# Altium PCB KAVI_PCB_R5.PcbDoc (part 2 of 2)
Units mil, origin at the board's own origin, x right, y up, seen from the top; angles counter-clockwise.
Board outline 3000 x 1700 mil, 4 copper layers (Top Layer, Signal Layer 1, Signal Layer 2, Bottom Layer), stack 64.6 mil thick; 113 components, 99 nets, 484 pads, 120 vias.
Unrouted connection lines stored in the file: 1.
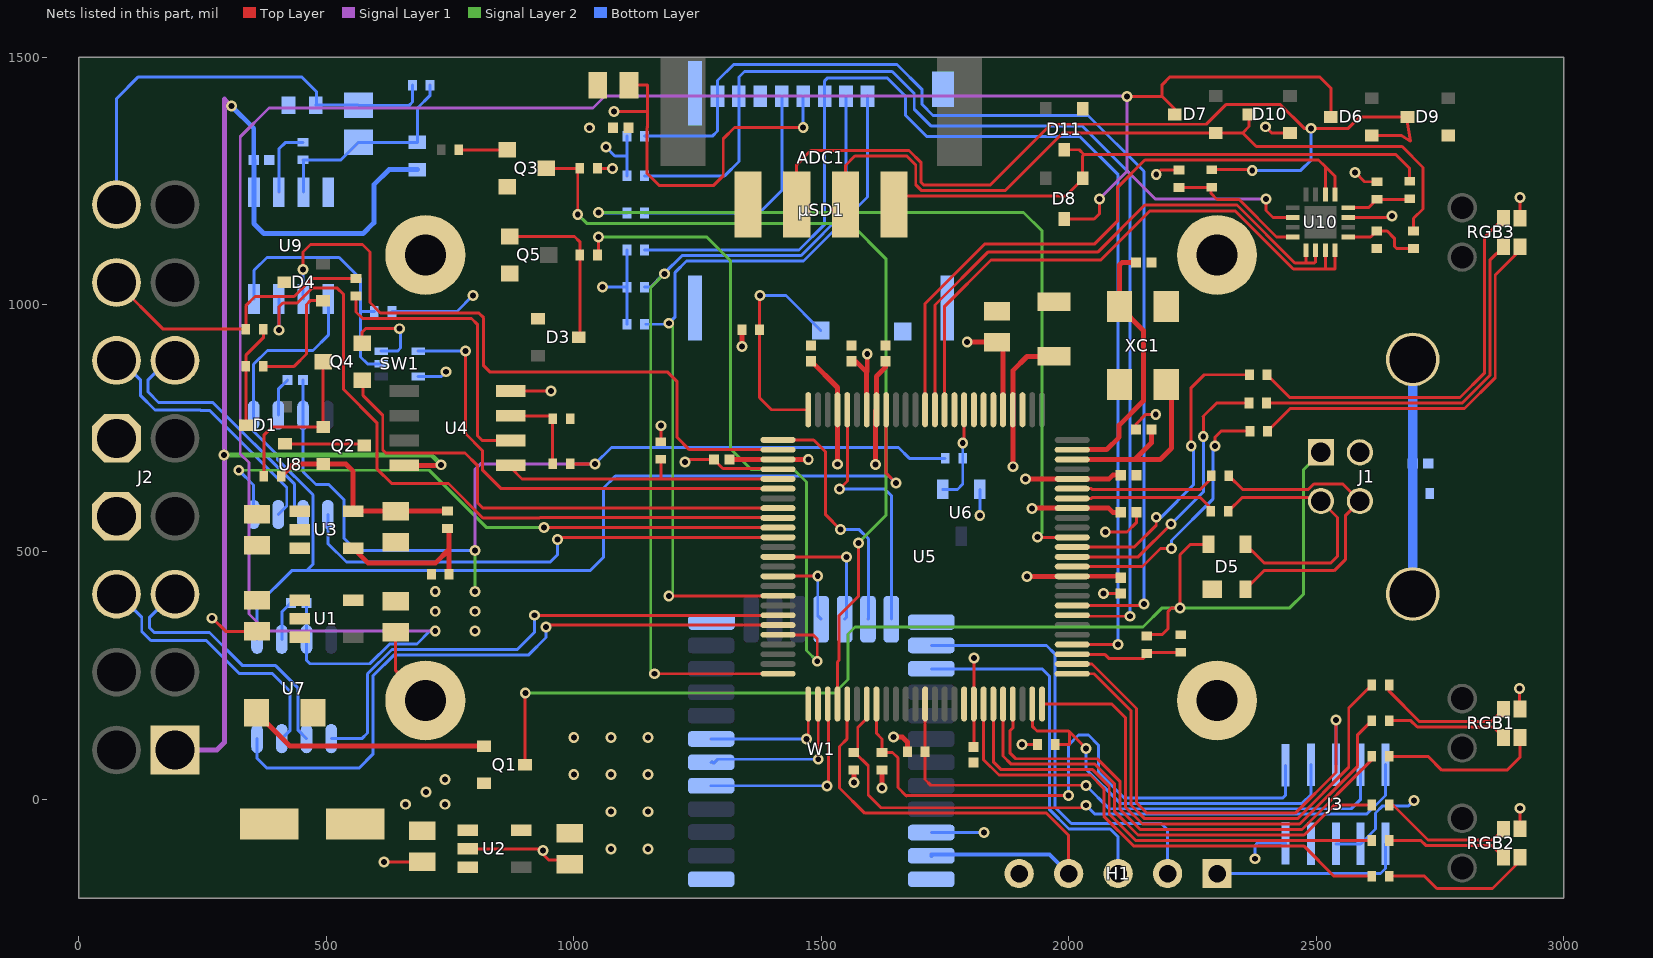
[diagram p4: the nets of this part, all layers, seen from the top]

## Via types
v1: diameter 22, hole 12, Top Layer to Bottom Layer, tented both sides, 120 vias

## Nets (pads, with @x,y where several pads share a name; then routed paths per layer and width w, separated by ;. In a path a pad name is that pad's centre, name@x,y a point inside that pad or via, vN(x,y) a via of type N, cw(c..) or ccw(c..) an arc to the next point about the centre after c; other vN are vias at no path point) (continued)
CAN_TX: U5.17 U7.1 U8.1 U9.1 | length 2432.8
  Top Layer w6: U5.17@1631.26,787.24 1631.26,658.74 v1(1651,639)
  Bottom Layer w6: U7.1@360,323.39 360,392 430,462 460,462 ; U9.1@503.9,1011.13 503.9,937.9 473,907 381,907 353,879 U8.1@353,776.39 353,744 401,696 401,687.18 472.81,615.37 472.81,474.81 460,462 ; v1(1651,639) 1636.5,653.5 1544.75,653.5 1544.25,653 1084,653 1060,629 1060,489 1033,462 460,462
GND: ADC1.4 C1.1 C2.1 C3.1 C4.1 C5.1 C6.1 C7.1 C8.1 C9.2 C10.1 C11.1 C12.1 C14.1 C15.1 C16.1 C17.1 C18.1 C19.2 C20.2 C22.1 C23.1 C24.1 C25.1 C27.1 C28.1 C29.1 D2.1 D3.1 D4.3 D5.1 D9.1 D10.1 D11.1 H1.5 J1.4 J2.4 J2.5 J3.3 J3.5 J3.9 pad.5 pad.6 pad.7 pad.8 Q3.2 Q4.2 Q5.2 R10.2 R12.1 R23.1 R30.1 R31.1 R32.1 R47.1 SW1.3 U1.2 U2.2 U3.2 U4.4 U5.3 U5.6 U5.7 U5.8 U5.10 U5.29 U5.67 U6.2 U7.2 U8.2 U9.8 U10.11 W1.0 W1.11 W1.19 W1.30 XC1.2 XC1.4 µSD1.6 µSD1.9 µSD1.11 µSD1.12 µSD1.13 µSD1.14 | length 1970.3
  Top Layer w6: v1(269,366) 270,366 296.5,339.5 C10.1@360,339.5 ; Q4.2@572.37,921.4 572.37,944.37 579,951 v1(648,951) ; v1(616.5,-126.5) C12.1@694,-126.5 ; C11.1@640,337.5 640,260 pad.6@700,200 ; U2.2@785.87,-100 935,-100 v1(938,-103) 938,-111 950,-123 985.5,-123 C5.1@990,-127.5 ; U4.4@872.87,825 v1(954,825) ; v1(1225,682) 1229.85,686.85 C7.1@1283.26,686.85 1283.26,686.56 1301.2,668.61 1411.31,668.61 U5.29@1412.76,667.17 ; v1(2070.25,416.25) C3.1@2105.25,416.25 ; v1(2074,540) 2118,540 2136.74,558.74 C27.1@2136.74,580 ; C23.1@2136,747 2136,758 2156,778 v1(2176,778) ; v1(2177,1263) 2185.68,1271.68 R30.1@2223,1271.68 ; v1(2398,1359) 2410.4,1346.6 D10.1@2447.34,1346.6 ; U10.11@2565.1,1175.84 2649.84,1175.84 v1(2653,1179) ; v1(2579,1267) 2598,1248 R32.1@2623,1248
  Bottom Layer w6: U8.2@403,776.39 403,828.75 C19.2@421.25,847 ; U7.2@410,323.39 410,378.75 C20.2@428.25,397 ; SW1.3@610.6,905.59 643.59,905.59 650,912 v1@650,951 ; v1(1820.4,573.4) U6.2@1820.4,626.24 ; v1(2376.57,-120) 2376.57,-93.43 2381.26,-88.74 J3.9@2437.83,-88.74 ; J3.5@2540,-90 J3.3@2590,-90 2620,-60 2620,-27.56 2634.56,-13 2687,-13 v1(2698,-2)
  other v1: 1032,1357
HSCAN_N: J2.14 U7.6 | length 551.6
  Bottom Layer w6: J2.14@194,414.55 189.55,414.55 143,368 143,346 152,337 264,337 331,270 397.63,270 443,224.63 443,139.61 U7.6@460,122.61
HSCAN_P: J2.6 U7.7 | length 551.7
  Bottom Layer w6: J2.6@75.89,414.55 80.45,414.55 127,368 127,339.37 145.37,321 257.37,321 324.37,254 391,254 427,218 427,139.61 U7.7@410,122.61
INTERFACE_3V3: C5.2 C6.2 C7.2 C8.2 C16.2 C17.2 C27.2 C28.2 H1.1 J3.1 R1.2 R8.1 R13.2 R14.2 R15.2 R16.2 R17.2 R18.2 R33.2 R34.2 R35.2 R36.2 R41.1 RGB1.4 RGB2.4 RGB3.4 SW1.5 U2.5 U5.5 U5.19 U5.28 U5.68 U5.93 W1.28 µSD1.4 | length 3076.7
  Top Layer w6: R1.2@1047.72,1275 v1(1078,1275) ; v1(1081,1390) 1148.5,1390 ; C17.2@1111.58,1443 1148.5,1443 1148.5,1390 ; R8.1@1176,722.72 v1(1176,755) ; v1(1463.58,1357.58) 1324.58,1357.58 1302,1335 1302,1260 1282,1240 1173,1240 1147.5,1265.5 1147.5,1357 1148.5,1358 1148.5,1390 ; C8.2@1808,106 1808.43,106.43 U5.68@1808.43,192.76 v1(1808.43,285.43) ; v1(1906,111) R35.2@1937.28,111 ; v1(2911,224) 2911,183.09 RGB1.4@2912,182.09 ; RGB2.4@2912,-60 v1(2912,-18) ; RGB3.4@2912,1174.09 v1(2912,1216)
  Top Layer w10: C7.2@1314.75,688 1315.9,686.85 U5.28@1412.76,686.85 v1(1473.85,686.85) ; v1(1340,915) R13.2@1340,949 ; C6.2@1561.53,885.25 1569.53,885.25 1591.89,862.89 ; v1(1566,34) R33.2@1566,59.28 ; U5.19@1591.89,787.24 1591.89,862.89 ; v1(1593,900) 1593,864 1591.89,862.89 ; v1(1623,23) R36.2@1623,59.28 ; v1(1646,126) 1664,126 1674.28,115.72 R34.2@1674.28,96 ; v1(1795,924) 1854.5,924 C28.2@1855,923.5 1867.48,911.02 U5.5@1867.48,787.24 ; v1(1926,588) 1929,588 1929.43,588.43 U5.93@2007.24,588.43 2080.83,588.43 2089.25,580 C27.2@2105.25,580
  Bottom Layer w6: R41.1@632.41,985.88 763.88,985.88 v1(796,1018) ; SW1.5@685.4,854.41 732.41,854.41 v1(742,864) ; v1(1058,1035) R15.2@1107.28,1035 ; v1(1065,1318) 1083,1300 1107.28,1300 ; R16.2@1107.28,960 R15.2@1107.28,1035 ; R14.2@1107.28,1110 R15.2@1107.28,1035 ; R18.2@1107.28,1260 1107.28,1300 ; R17.2@1107.28,1340 1107.28,1300 ; v1(1463.58,1357.58) µSD1.4@1463.58,1421 ; W1.28@1722.44,-67.05 v1(1828.95,-67.05) ; H1.1@2300,-150 2630,-150 2640,-140 J3.1@2640,-90
  other v1: 1075,-100 1150,-100 1075,-25 1150,-25 1000,50 1075,50 1150,50 1000,125 1075,125 1150,125
INTERFACE_5V0: C11.2 C12.2 C19.1 C20.1 D6.3 D7.3 D8.3 Q1.2 R11.2 R20.2 U1.5 U2.1 U2.3 U7.3 U8.3 U10.2 | length 6797
  Top Layer w6: R11.2@992.92,678 v1(1043,678) ; D8.3@1991,1172.66 2051.66,1172.66 2062,1183 v1(2062,1213) ; v1(2118,1420) 2189,1420 ; D7.3@2214.66,1384 2214.66,1394.34 2189,1420 ; v1(2399,1213) 2399,1190 2413.16,1175.84 U10.2@2452.9,1175.84 ; D6.3@2529.66,1379 2529.66,1437.34 2507,1460 2205,1460 2189,1444 2189,1420
  Signal Layer 1 w6: v1(720,340) 378,340 343.5,374.5 343.5,680.5 326,698 326,1339 384,1397 1039,1397 1063,1421 2117,1421 v1(2118,1420) 2118,1270 ; v1(800,503) 800,666 813,679 814,678 v1(1043,678) ; v1(2062,1213) 2118,1269 2118,1270 ; v1(2399,1213) 2175,1213 2118,1270
  Signal Layer 2 w6: v1(800,420) 801,421 800,422 v1(800,503)
  Bottom Layer w6: C19.1@452.75,847 453,846.75 U8.3@453,776.39 453,662 479,636 505,636 536,605 536,527 563,500 566,503 v1(800,503) ; C20.1@459.75,397 460,396.75 U7.3@460,323.39 460,281 467,274 587.89,274 627.89,314 683,314 709,340 v1(720,340) ; v1(1043,678) 1076,711 1656,711 1678,689 R20.2@1750.57,689
  other v1: 660,-10 740,-10 701,15 740,40 800,340 720,380 800,380 720,420
J1850_P: J2.2 R5.1 R9.2 | length 593.5
  Top Layer w6: J2.2@75.89,1044.47 170.36,950 R5.1@337.28,950 337.28,997.28 356,1016 435,1016 471.72,1052.72 R9.2@560,1052.72
M_USB_N: D5.3 J1.2 R21.2 | length 533.6
  Top Layer w6: R21.2@2322.72,582 2350.72,610 2502.6,610 J1.2@2509.8,602.8 2543,569.6 2543,491 2530,478 2394.68,478 D5.3@2357.4,515.28
M_USB_P: D5.2 J1.3 R22.2 | length 652.4
  Top Layer w6: R22.2@2323.72,654 2351.72,626 2484.11,626 2495.48,637.37 2553.97,637.37 J1.3@2588.54,602.8 2559,573.25 2559,484.37 2536.63,462 2394.68,462 D5.2@2357.4,424.72
MCU_CORE: C1.2 C2.2 C3.2 C4.2 C29.2 U5.4 U5.18 U5.22 U5.86 U5.96 | length 1111.5
  Top Layer w10: C2.2@1479,885.25 1479.75,885.25 1532.83,832.17 U5.22@1532.83,787.24 v1(1532.83,677.17) ; v1(1610,677) 1610,785.67 U5.18@1611.57,787.24 1611.57,854.83 1630,873.25 ; v1(1887.17,672.17) U5.4@1887.17,787.24 1887.17,866.17 1915.88,894.88 C29.2@1970,894.88 ; v1(1912.52,647.48) U5.96@2007.24,647.48 2081.73,647.48 2089.25,655 C4.2@2105.25,655 ; v1(1915.63,450.63) U5.86@2007.24,450.63 2007.36,450.75 2102.25,450.75 C3.2@2105.25,447.75
  Signal Layer 1 w10: v1@1911.85,647.48 v1(1912.52,647.48)
MSCAN_N: J2.11 U8.6 | length 536.4
  Bottom Layer w6: J2.11@194,886.99 178.99,886.99 140,848 140,823 161,802 270.63,802 436,636.63 436,592.61 U8.6@453,575.61
MSCAN_P: J2.3 U8.7 | length 530.5
  Bottom Layer w6: J2.3@75.89,886.99 85.01,886.99 124,848 124,816.37 153.65,786.72 245.28,786.72 246,786 264,786 420,630 420,592.61 U8.7@403,575.61
NetADC1_1: ADC1.1 D8.1 D11.3 R27.2 | length 1239.5
  Top Layer w6: ADC1.1@1647.64,1159.45 1668.77,1180.58 1668.77,1202.08 1668.77,1219 1994.03,1219 2028.4,1253.37 2028.4,1300.4 2031,1303 ; D11.3@1991,1312.66 2021.34,1312.66 2031,1303 ; R27.2@2696,1249 R27.2@2689,1249 2689,1275 2661,1303 2031,1303
NetADC1_2: ADC1.2 D7.1 D10.3 R26.2 | length 1579.9
  Top Layer w6: ADC1.2@1548.85,1202.08 1548.85,1281.01 1567.84,1300 1673,1300 1691,1282 1691,1242 1703,1230 1871.43,1230 1988.03,1346.6 D7.1@2297.34,1346.6 ; D7.1@2305,1338.94 D7.1@2297.34,1346.6 ; D10.3@2360,1379.34 D10.3@2364.66,1384 2364.66,1359.66 2351.6,1346.6 ; R26.2@2697,1148.72 2697,1174 2716,1193 2716,1277 2674,1319 2379.2,1319 2351.6,1346.6 ; D7.1@2297.34,1346.6 2351.6,1346.6
NetADC1_3: ADC1.3 D6.1 D9.3 R25.2 | length 1895.7
  Top Layer w6: ADC1.3@1450.43,1219 1450.43,1282.43 1479,1311 1677.56,1311 1702,1286.56 1702,1246.56 1707.56,1241 1841,1241 1964.19,1364.19 2278.02,1364.19 2317.65,1403.81 2428.02,1403.81 2475.84,1356 v1(2490,1356) 2565,1356 2588,1379 D9.3@2684.66,1379 2683,1377.34 2691,1330 2671.4,1341.6 D6.1@2612.34,1341.6 ; ADC1.3@1450.79,1159.45 ADC1.3@1471.92,1180.58 ; R25.2@2289,1272.43 2370.57,1272.43 2371,1272 v1(2371,1271)
  Bottom Layer w6: v1(2371,1271) 2469,1271 2490,1292 v1(2490,1356)
NetC18_2: C18.2 J1.MH1 J1.MH2 R23.2 | length 474
  Bottom Layer w20: J1.MH1@2695.24,415 J1.MH2@2695.24,889.02
NetC21_2: C21.2 I1.1 R40.2 R42.1 U9.7 | length 437.5
  Bottom Layer w6: U9.7@453.9,1226.87 453.9,1291.39 R42.1@453,1292.28 529.68,1292.28 I1.1@565,1327.6 C21.2@684,1327.6 684,1397 709.72,1422.72 R40.2@709.72,1443
NetC22_2: C22.2 I1.2 J2.1 R40.1 | length 908.9
  Bottom Layer w6: J2.1@75.89,1201.95 75.89,1415.89 120,1460 450,1460 480,1430 480,1404.44 C22.2@478.56,1403 564.4,1403 I1.2@565,1402.4 667.4,1402.4 674.28,1409.28 R40.1@674.28,1443
NetD1_1: D1.1 Q2.3 | length 153
  Top Layer w6: D1.1@424.37,717.6 573.74,717.6 Q2.3@576.34,715
NetD1_3: D1.3 R5.2 R6.2 | length 213.1
  Top Layer w6: D1.3@345.63,755 337.28,763.35 R6.2@337.28,875 337.28,897.28 372.72,932.72 R5.2@372.72,950
NetD3_3: D3.3 Q5.1 R4.1 | length 339.6
  Top Layer w6: Q5.1@870.63,1137.4 1001.6,1137.4 1012.28,1126.72 R4.1@1012.28,1100 1012.28,935.94 D3.3@1010.34,934
NetD4_1: D4.1 R6.1 | length 235.2
  Top Layer w6: R6.1@372.72,875 435,875 460,900 460,1000 467.6,1007.6 D4.1@493.37,1007.6 D4.1@494.37,1007.6
NetH1_2: H1.2 W1.20 | length 901.4
  Bottom Layer w6: W1.20@1722.44,310.91 1955.09,310.91 1972,294 1972,-15.56 2005.44,-49 2187,-49 2200,-62 H1.2@2200,-150
NetH1_3: H1.3 W1.21 | length 749.9
  Bottom Layer w6: W1.21@1722.44,263.66 1946.34,263.66 1961,249 1961,-20.11 2000.89,-60 2084,-60 2100,-76 H1.3@2100,-150
NetH1_4: H1.4 U5.55 W1.29 | length 1052.3
  Top Layer w6: U5.55@1552.52,192.76 1552.52,122.52 1537,107 1537,23 1588,-28 1955,-28 2000,-73 H1.4@2000,-150
  Bottom Layer w8: W1.29@1722.44,-114.29 1722.44,-111.47 1961.47,-111.47 H1.4@2000,-150
NetJ3_2: J3.2 R33.1 U5.57 | length 1349.9
  Top Layer w6: R33.1@1566,94.72 R33.1@1567.97,94.72 ; U5.57@1591.89,192.76 1591.89,163.23 1573.83,145.17 1573.83,100.57 R33.1@1567.97,94.72 ; v1(2035,-12) 2030,-17 1621,-17 1595,9 1595,67.68 R33.1@1567.97,94.72
  Bottom Layer w6: v1(2035,-12) 2053,-30 2602,-30 2640,8 J3.2@2640,70
NetJ3_4: J3.4 R34.1 U5.63 | length 1125.4
  Top Layer w6: U5.63@1710,192.76 1709.86,192.61 1709.86,96.14 R34.1@1709.72,96 1709.72,40.16 1721.38,28.5 2034.5,28.5 v1(2035,28)
  Bottom Layer w6: v1(2035,28) 2082,-19 2571,-19 2590,0 J3.4@2590,60
NetJ3_6: J3.6 U5.77 | length 999.5
  Top Layer w6: U5.77@2007.71,273 U5.77@2007.24,273.46 2047.09,273.46 2137,183.56 2137,-6.66 2158.34,-28 2457.78,-28 2540,54.22 v1(2540,160)
  Bottom Layer w6: J3.6@2540,70 v1(2540,160)
NetJ3_7: J3.7
NetJ3_8: J3.8 R35.1 U5.74 | length 819.8
  Top Layer w6: U5.74@1926.77,192.52 U5.74@1926.54,192.76 1926.54,147.46 1936,138 2000,138 2002,136 ; R35.1@1972.72,111 2002,111 2002,136 ; v1(2035,103) 2002,136
  Bottom Layer w6: v1(2035,103) 2035,61 2104,-8 2472,-8 2490,10 J3.8@2490,70
NetJ3_10: J3.10 R36.1 U5.58 | length 1247.5
  Top Layer w6: U5.58@1611.57,192.76 1611.57,133.43 1623,122 R36.1@1623,94.72 1644.28,94.72 1655,84 1655,24 1672,7 1673,8 v1(2000,8)
  Bottom Layer w6: v1(2000,8) 2000,110 2020,130 2040,130 2060,110 2060,55 2112,3 2433,3 2437.83,7.83 J3.10@2437.83,68.74
NetQ2_1: Q2.1 Q4.3 R2.1 | length 345
  Top Layer w6: R2.1@373.72,651 373.72,735.72 390.4,752.4 Q2.1@493.66,752.4 493.66,883.03 Q4.3@495.63,885
NetQ3_1: Q3.1 R3.2 | length 97.9
  Top Layer w6: R3.2@767.72,1312.4 Q3.1@865.63,1312.4
NetQ3_3: Q3.3 R1.1 U5.54 | length 1762.5
  Top Layer w6: Q3.3@944.37,1275 R1.1@1012.28,1275 1008,1270.72 v1(1008,1182) ; U5.54@1532.83,192.76 1532.83,277.84 1535.5,280.51 1535.5,370.5 1575,410 v1(1575,518)
  Signal Layer 2 w6: v1(1008,1182) 1026,1164 1559,1164 1630.5,1092.5 1630.5,573.5 v1(1575,518)
NetR4_2: R4.2 U5.46 | length 1383.5
  Top Layer w6: R4.2@1047.72,1100 1050,1102.28 v1(1050,1136) ; U5.46@1412.76,332.52 1483.48,332.52 1492,324 v1(1492,279)
  Signal Layer 2 w6: v1(1050,1136) 1269,1136 1317,1088 1317,708 1359,666 1445,666 1470,641 1470,301 v1(1492,279)
NetR7_1: R7.1 R10.1 U3.4 | length 310.4
  Top Layer w10: U3.4@554.13,507.6 583.73,478 720.72,478 747.72,505 ; R7.1@745,547.28 747.72,544.57 747.72,505 ; 747.72,455 747.72,505
NetR9_1: R9.1 U4.2 | length 584.7
  Top Layer w6: R9.1@560,1017.28 560,985 573.5,971.5 793.5,971.5 805,960 805,735 815,725 U4.2@872.87,725
NetR11_1: R11.1 R12.2 U4.3 | length 181.1
  Top Layer w6: U4.3@872.87,775 957,775 R11.1@957,678
NetR13_1: R13.1 U5.25 µSD1.10 | length 467.3
  Top Layer w6: v1(1376,1018) 1375.43,1017.43 R13.1@1375.43,949 1375.43,811.57 1399.76,787.24 U5.25@1473.78,787.24
  Bottom Layer w6: v1(1376,1018) 1428.59,1018 µSD1.10@1499.02,947.57
NetR14_1: R14.1 U5.79 µSD1.3 | length 2416.6
  Top Layer w6: U5.79@2007.24,312.83 2099.83,312.83 v1(2100,313)
  Bottom Layer w6: R14.1@1142.72,1110 1455,1110 1506.89,1161.89 1506.89,1451.89 1513,1458 1633,1458 1670,1421 1670,1383 1714,1339 2023,1339 2100,1262 v1(2100,313)
NetR15_1: R15.1 U5.50 µSD1.2 | length 1776.5
  Top Layer w6: v1(1162.78,253.78) U5.50@1412.76,253.78
  Signal Layer 2 w6: v1(1162.78,253.78) 1155.5,261.06 1155.5,1034.5 v1(1183,1062)
  Bottom Layer w6: R15.1@1142.72,1035 1155,1035 v1@1183,1063 ; v1(1183,1062) v1@1183,1063 ; µSD1.2@1550.2,1421 1550.2,1189.64 1459.56,1099 1219,1099 v1@1183,1063
NetR16_1: R16.1 U5.42 µSD1.1 | length 1589.5
  Top Layer w6: v1(1192,411) 1412.5,411 U5.42@1412.76,411.26
  Signal Layer 2 w6: v1(1192,411) 1200,419 1200,954 v1(1192,962)
  Bottom Layer w6: R16.1@1145.43,960 1190,960 v1(1192,962) 1205,975 1205,1065 1228,1088 1464.11,1088 1593.5,1217.39 µSD1.1@1593.5,1421
NetR17_1: R17.1 U5.83 µSD1.8 | length 2256.3
  Top Layer w6: U5.83@2007.24,391.57 2148.57,391.57 v1(2152,395)
  Bottom Layer w6: R17.1@1142.72,1340 1280,1340 1290.35,1350.35 1290.35,1452.35 1323,1485 1653,1485 1704,1434 1704,1404 1726,1382 2039,1382 2152,1269 v1(2152,395)
NetR18_1: R18.1 U5.82 µSD1.7 | length 2285
  Top Layer w6: U5.82@2007.24,371.89 2009.13,370 v1(2124,370)
  Bottom Layer w6: R18.1@1142.72,1260 1305,1260 1333.66,1288.66 1333.66,1459.66 1345,1471 1643.44,1471 1688,1426.44 1688,1394.44 1721.44,1361 2027,1361 2124.11,1263.89 2124,1263.78 v1(2124,370)
NetR19_1: R19.1 µSD1.5 | length 487
  Bottom Layer w6: R19.1@1142.72,1185 1375,1185 1420.28,1230.28 µSD1.5@1420.28,1421
NetR19_2: R19.2 U5.90 | length 1662.7
  Top Layer w6: v1(1937,530) 1937.63,529.37 U5.90@2007.24,529.37
  Signal Layer 2 w6: v1(1050,1186) 1909,1186 1946.5,1148.5 1946.5,539.5 v1(1937,530)
  Bottom Layer w6: v1(1050,1186) 1051,1185 R19.2@1107.28,1185
NetR20_1: R20.1 U5.9 U6.1 | length 197.4
  Top Layer w6: v1(1786,720) 1788,720 1788.74,720.74 U5.9@1788.74,787.24
  Bottom Layer w6: U6.1@1745.6,626.24 1775.24,626.24 1786,637 R20.1@1786,689 v1(1786,720)
NetR24_2: R24.2 RGB1.1 | length 326.7
  Top Layer w6: R24.2@2647.72,87 2726,87 2754,59 2886,59 2912,85 RGB1.1@2912,125
NetR25_1: R25.1 R30.2 U10.4 | length 278.5
  Top Layer w6: R30.2@2222.72,1236.53 R30.2@2223,1236.25 ; R30.2@2223,1236 2288,1236 2288,1224 2300,1212 2344.57,1212 2420.09,1136.47 U10.4@2452.9,1136.47
NetR26_1: R26.1 R31.2 U10.9 | length 160.8
  Top Layer w6: U10.9@2565.1,1136.47 2610.32,1136.47 R31.2@2622.28,1148.43 2643.57,1148.43 2658,1134 2658,1118 2662.72,1113.28 R26.1@2697,1113.28
NetR27_1: R27.1 R32.2 U10.12 | length 131.4
  Top Layer w6: U10.12@2565.1,1195.53 2605.96,1195.53 R32.2@2623,1212.57 2688,1212.57 R27.1@2689,1213.57
NetR28_2: R28.2 RGB1.2 | length 244.9
  Top Layer w6: R28.2@2647.72,159 2691.44,159 2704.44,146 2857.54,146 RGB1.2@2878.54,125
NetR29_2: R29.2 RGB1.3 | length 279.3
  Top Layer w6: R29.2@2647.72,231 2647.72,218.28 2709,157 2853.45,157 RGB1.3@2878.54,182.09
NetR37_2: R37.2 RGB2.1 | length 304.9
  Top Layer w6: R37.2@2647.72,-155.25 2719.25,-155.25 2744,-180 2856.46,-180 2912,-124.46 RGB2.1@2912,-117.09
NetR38_2: R38.2 RGB2.2 | length 244.8
  Top Layer w6: R38.2@2647.72,-83.25 2711.69,-83.25 2721.44,-93 2854.45,-93 RGB2.2@2878.54,-117.09
NetR39_2: R39.2 RGB2.3 | length 269.2
  Top Layer w6: R39.2@2647.72,-11.25 2655.25,-11.25 2726,-82 2856.54,-82 RGB2.3@2878.54,-60
NetR41_2: R41.2 SW1.2 U9.4 | length 535.2
  Bottom Layer w6: U9.4@353.9,1011.13 353.9,1068.9 380,1095 526,1095 569,1052 569,985 ; R41.2@596.98,985.88 569.88,985.88 569,985 ; SW1.2@610.6,880 583,880 569,894 569,985
NetR42_2: R42.2 U9.6 | length 141.8
  Bottom Layer w6: U9.6@403.9,1226.87 403.9,1313.9 417.72,1327.72 R42.2@453,1327.72
NetR43_2: R43.2 RGB3.1 | length 790.8
  Top Layer w6: R43.2@2401.72,744 2447.72,790 2800.11,790 2862,851.89 2862,1059.62 2894.64,1092.27 2912,1109.62 RGB3.1@2912,1117
NetR44_2: R44.2 RGB3.2 | length 746.2
  Top Layer w6: R44.2@2399.72,801 2795.56,801 2851,856.44 2851,1089.46 RGB3.2@2878.54,1117
NetR45_2: R45.2 RGB3.3 | length 807.7
  Top Layer w6: R45.2@2400.72,858 2446.72,812 2791,812 2840,861 2840,1135.55 RGB3.3@2878.54,1174.09
NetR46_1: R46.1 R47.2 U5.78 | length 229.2
  Top Layer w6: U5.78@2007.24,293.15 2072.85,293.15 2081,285 2150.72,285 R46.1@2158,292.28 ; R46.1@2155.5,294.78 2158,297.28 2158.2,297.09 R47.2@2226.47,297.09
NetSW1_4: SW1.4 U5.31 | length 963.4
  Top Layer w6: v1(781,906) 781,739 816,704 816,665 853.2,627.8 U5.31@1412.76,627.8
  Bottom Layer w6: SW1.4@685.4,905.59 685.81,906 v1(781,906)
NetU5_11: U5.11 U10.7 U10.8 | length 1203.4
  Top Layer w6: U5.11@1749.37,787.24 1749.37,996.37 1843,1090 2065,1090 2163.71,1188.71 2336.74,1188.71 2453.98,1071.47 2518.84,1071.47 ; U10.7@2518.84,1109.9 2518.84,1071.47 ; U10.8@2538.53,1109.9 2538.53,1071.47 2518.84,1071.47
NetU5_12: U5.12 U10.5 U10.6 | length 1164.3
  Top Layer w6: U5.12@1729.69,787.24 1729.69,998.69 1836.56,1105.56 2058.56,1105.56 2154,1201 2340.01,1201 2457.01,1084 2478,1084 ; U10.5@2479.47,1109.9 2479.47,1085.47 2478,1084 ; U10.6@2499.16,1109.9 2499.16,1086.16 2497,1084 2478,1084
NetU5_13: U5.13 U10.13 U10.14 | length 1309.6
  Top Layer w6: U5.13@1710,787.24 1710,1002 1829.82,1121.82 2051.82,1121.82 2099,1169 2099,1237 2154,1292 2505,1292 2518.84,1278.16 ; U10.14@2518.84,1222.1 2518.84,1278.16 ; U10.13@2538.53,1222.1 2538.53,1258.47 2518.84,1278.16
NetU5_21: U5.21 W1.18 | length 527.3
  Top Layer w6: v1(1537,627) 1553.33,643.33 1553.33,786.43 U5.21@1552.52,787.24
  Bottom Layer w6: v1(1537,627) 1628.55,627 1641.73,613.82 W1.18@1641.73,364.06
NetU5_26: U5.26 W1.17 | length 503.1
  Top Layer w6: U5.26@1412.76,726.22 1484.78,726.22 1509,702 1509,575 v1(1539,545)
  Bottom Layer w6: v1(1539,545) 1576.99,545 1595.5,526.49 1595.5,512.5 1596,512 1596,365.57 W1.17@1594.49,364.06
NetU5_27: U5.27 U9.2 | length 1415.7
  Top Layer w6: v1(453,1071) 453,1106 468,1121 573,1121 588,1106 588,1004 609,983 808,983 818,973 818,876 830,864 1189,864 1209,844 1209,731 1233.46,706.54 U5.27@1412.76,706.54
  Bottom Layer w6: v1(453,1071) 453,1012.02 U9.2@453.9,1011.13
NetU5_34: U5.34 U9.3 | length 1494.5
  Top Layer w6: v1(404,948) 404,995 412,1003 441,1003 471,1033 522,1033 535,1020 535,828 602,761 602,668 632,638 747,638 816.26,568.74 930.75,568.74 931.51,569.5 1412,569.5 U5.34@1412.76,568.74
  Bottom Layer w6: U9.3@403.9,1011.13 404,1011.02 v1(404,948)
NetU5_35: U5.35 U8.8 | length 1239.6
  Top Layer w6: v1(940,549) 940.06,549.06 U5.35@1412.76,549.06
  Signal Layer 2 w6: v1(323,665) 708,665 824,549 v1(940,549)
  Bottom Layer w6: v1(323,665) 353,635 U8.8@353,575.61
NetU5_36: U5.36 U8.5 | length 1022.7
  Top Layer w6: v1(967,525) 971.37,529.37 U5.36@1412.76,529.37
  Bottom Layer w6: U8.5@503,575.61 503,517 540.5,479.5 952.5,479.5 967,494 v1(967,525)
NetU5_38: U5.38 W1.16 | length 265.7
  Top Layer w6: U5.38@1412.76,490 v1(1551,490)
  Bottom Layer w6: W1.16@1547.24,364.06 1551,367.81 v1(1551,490)
NetU5_40: U5.40 W1.15 | length 170.2
  Top Layer w6: U5.40@1412.76,450.63 1413.13,451 v1(1493,451)
  Bottom Layer w6: v1(1493,451) 1493,371.06 W1.15@1500,364.06
NetU5_44: U5.44 U7.5 | length 1096.1
  Top Layer w6: v1(921,372) 921.11,371.89 U5.44@1412.76,371.89
  Bottom Layer w6: U7.5@510,122.61 571.61,122.61 583,134 583,253.56 632.44,303 886,303 921,338 v1(921,372)
NetU5_45: U5.45 U7.8 | length 1333.1
  Top Layer w6: v1(944,348) 944,348.41 940.2,352.2 U5.45@1412.76,352.2
  Bottom Layer w6: U7.8@360,122.61 360,83 380,63 566,63 594,91 594,249 637,292 909,292 944,327 v1(944,348)
NetU5_51: U5.51 W1.6 | length 266.5
  Top Layer w6: v1(1470,122) 1473,122 1473.78,122.78 U5.51@1473.78,192.76
  Bottom Layer w6: W1.6@1277.56,121.93 1277.63,122 v1(1470,122)
NetU5_52: U5.52 W1.5 | length 320.1
  Top Layer w6: v1(1494,81) U5.52@1494,179.22
  Bottom Layer w6: W1.5@1277.56,74.68 1279.34,76.46 1282.8,73 1290.8,81 v1(1494,81)
NetU5_53: U5.53 W1.4 | length 402
  Top Layer w6: v1(1512,27) 1514.5,29.5 1514.5,191.41 U5.53@1513.15,192.76
  Bottom Layer w6: W1.4@1277.56,27.44 1511.56,27.44 v1(1512,27)
PA0: R24.1 U5.72 | length 997.5
  Top Layer w6: U5.72@1885.5,191.09 U5.72@1887.17,192.76 1887.17,144.17 1881,138 1881,94 1893,82 2057.67,82 2104,35.67 2104,-20.33 2144.67,-61 2471.44,-61 2612.28,79.84 R24.1@2612.28,87
PA1: R38.1 U5.70 | length 980.2
  Top Layer w6: U5.70@1847.8,192.76 1847.8,75.76 1863.56,60 2048.56,60 2082,26.56 2082,-29.44 2135.56,-83 2612.03,-83 R38.1@2612.28,-83.25
PD3: R45.1 U5.89 | length 633
  Top Layer w6: U5.89@2007.24,509.69 2132.69,509.69 2177,554 v1(2177,570) ; v1(2247.69,714) 2247.69,831.69 2274,858 R45.1@2365.28,858
  Bottom Layer w6: v1(2177,570) 2187,570 2252,635 2252,709.69 v1(2247.69,714)
PD4: R44.1 U5.88 | length 578.6
  Top Layer w6: U5.88@2007.24,490 2140.84,490 v1(2206.84,556) ; v1(2272,733) 2272,773.37 2271.69,773.69 2299,801 R44.1@2364.28,801
  Bottom Layer w6: v1@2206.84,553.15 v1@2206.84,555.9 ; v1(2206.84,556) v1@2206.84,555.9 ; v1(2272,733) 2272,621.06 v1@2206.84,555.9
PD5: R43.1 U5.87 | length 552.7
  Top Layer w6: U5.87@2007.24,470.32 2148.99,470.32 2185.68,507 v1(2208,507) ; v1(2295.69,714) 2295.69,731.69 2308,744 R43.1@2366.28,744
  Bottom Layer w6: v1(2208,507) 2208,523.12 2291.37,606.49 2291.37,709.68 v1(2295.69,714)
PD10: R39.1 U5.71 | length 974.1
  Top Layer w6: U5.71@1867.48,192.76 1867.48,87.52 1884,71 2053.11,71 2056.33,67.78 2093,31.11 2093,-24.89 2140.11,-72 2476,-72 2536.75,-11.25 R39.1@2612.28,-11.25
PD11: R37.1 U5.69 | length 1027.2
  Top Layer w6: U5.69@1828.11,192.76 1828.11,79.89 1859,49 2044,49 2071,22 2071,-34 2131,-94 2475,-94 2536.25,-155.25 R37.1@2612.28,-155.25
PD15: R28.1 U5.75 | length 996.3
  Top Layer w6: U5.75@1946.22,192.76 2087.24,192.76 2115,165 2115,-15.77 2149.23,-50 2466.89,-50 2584,67.11 2584,130.72 R28.1@2612.28,159
PD29: R29.1 U5.76 | length 1019.9
  Top Layer w6: U5.76@2007.24,253.78 2051.22,253.78 2126,179 2126,-11.22 2153.78,-39 2462.33,-39 2566,64.67 2566,184.72 R29.1@2612.28,231
USB_5V: D5.4 J1.1 Q1.3 R46.2 | length 2439
  Top Layer w6: Q1.3@901.34,70 901.34,214.34 v1(902,215) ; R46.2@2158,332.72 2188.72,332.72 2201,345 2201,380 2208,387 v1(2225,387) 2225,494 2246.28,515.28 D5.4@2282.6,515.28
  Signal Layer 2 w6: v1(902,215) 1527,215 1554,242 1554,334 1568,348 2150,348 2189,387 v1(2225,387) 2447,387 2475,415 2475,666.42 J1.1@2509.8,701.22
USB_N: R21.1 U5.94 | length 296.3
  Top Layer w6: U5.94@2007.24,608.11 2045.68,608.11 2047.52,609.95 2266,609.95 2284.28,591.67 2284.28,585 R21.1@2287.28,582
USB_P: R22.1 U5.95 | length 296.8
  Top Layer w6: U5.95@2007.24,627.8 2045.68,627.8 2047.52,625.95 2266,625.95 2285.28,645.24 2285.28,651 R22.1@2288.28,654
VBAT: C9.1 C10.2 C14.2 C21.1 C25.2 D2.2 J2.16 Q1.1 U1.1 U1.3 U3.1 U3.3 U4.8 U9.5 | length 3130.6
  Top Layer w10: D2.2@358.91,175 426.51,107.4 Q1.1@818.66,107.4 ; U4.8@657.13,675 731,675 v1(732,676)
  Signal Layer 1 w10: J2.16@194,99.59 278.59,99.59 294,115 294,1415 v1(308,1401)
  Signal Layer 2 w10: v1(293,696) 712,696 v1(732,676)
  Bottom Layer w10: v1(308,1401) 353.25,1355.75 C25.2@353.25,1292 353.9,1291.35 U9.5@353.9,1226.87 353.9,1163.1 374,1143 574,1143 596,1165 596,1242 626.48,1272.48 C21.1@684,1272.48
VPW7V: C15.2 Q2.2 R2.2 R7.2 U3.5 | length 433.2
  Top Layer w10: R2.2@408.72,653 433.31,677.6 539.4,677.6 554.13,662.87 U3.5@554.13,582.4 554.23,582.5 C15.2@640,582.5 744.78,582.5 R7.2@745,582.72
VPW_RX: R8.2 U4.1 U5.30 | length 594
  Top Layer w6: U4.1@872.87,675 872.87,669.96 895.35,647.48 1176,647.48 ; R8.2@1176,687.28 1176,647.48 ; U5.30@1412.76,647.48 1176,647.48
VPWTX: Q4.1 U5.33 | length 1049.4
  Top Layer w6: Q4.1@574.37,847.6 574.37,815.63 614,776 614,706 620,700 780,700 805,675 805,600 816.57,588.43 U5.33@1412.76,588.43
XIN: C24.2 U5.99 XC1.1 | length 528.8
  Top Layer w10: U5.99@2007.24,706.54 2076.54,706.54 2102,732 2102,756 2151,805 2151,947.43 XC1.1@2102.69,995.74 2102.69,1079.69 2108,1085 C24.2@2136,1085
XOUT: C23.2 U5.98 XC1.3 | length 417.2
  Top Layer w10: U5.98@2007.24,686.85 2133.85,686.85 ; C23.2@2167.5,747 2167.5,720.5 2133.85,686.85 ; XC1.3@2197.18,838.26 2208,827.44 2208,710 2184.85,686.85 2133.85,686.85
pads on no net: ADC1.5 ADC1.6 D1.2 D3.2 D4.2 D6.2 D7.2 D8.2 D9.2 D10.2 D11.2 J2.7 J2.8 J2.10 J2.12 J2.13 J2.15 RGB1.0 RGB2.0 RGB3.0 U1.4 U2.4 U4.5 U4.6 U4.7 U5.1 U5.2 U5.14 U5.15 U5.16 U5.23 U5.24 U5.32 U5.37 U5.39 U5.41 U5.43 U5.47 U5.48 U5.49 U5.56 U5.59 U5.60 U5.61 U5.62 U5.64 U5.65 U5.66 U5.73 U5.80 U5.81 U5.84 U5.85 U5.91 U5.92 U5.97 U5.100 U6.3 U10.1 U10.3 U10.10 U10.15 U10.16 U10.17 W1.1 W1.2 W1.3 W1.7 W1.8 W1.9 W1.10 W1.12 W1.13 W1.14 W1.22 W1.23 W1.24 W1.25 W1.26 W1.27

## Polygon pours and split planes (outlines as drawn)
INTERFACE_3V3 on Signal Layer 1 "Signal Layer 1-No Net" (solid, pour order 20): 0,-200 3000,-200 3000,1500 0,1500
INTERFACE_5V0 on Signal Layer 1 "Signal Layer 1-No Net" (solid, pour order 10): 540,440 840,440 840,-180 540,-180
MCU_CORE on Signal Layer 1 "Signal Layer 1-No Net" (solid, pour order 2): 1485,700 1935,700 1935,300 1485,300
GND on Top Layer "Signal Layer 1-No Net" (solid, pour order 28): 0,1500 3000,1500 3000,-200 0,-200
INTERFACE_3V3 on Top Layer "Signal Layer 1-No Net" (solid, pour order 16): 850,-175 850,25 975,25 975,150 1175,150 1175,-175
INTERFACE_5V0 on Top Layer "5VPrimary" (solid, pour order 12): 540,440 840,440 840,300 540,300
INTERFACE_5V0 on Top Layer "Signal Layer 1-No Net" (solid, pour order 14): 840,-180 840,60 640,60 640,-180
VBAT on Top Layer "Signal Layer 1-No Net" (solid, pour order 18): 125,175 275,175 275,600 475,600 475,250 425,250 425,50 475,50 475,-175 125,-175
GND on Signal Layer 2 "Signal Layer 1-No Net" (solid, pour order 22): 0,1500 3000,1500 3000,-200 0,-200
GND on Bottom Layer "Signal Layer 1-No Net" (solid, pour order 26): 0,-200 3000,-200 3000,1500 0,1500

## Silkscreen, mask and mechanical layers (free items; w line width, h text height)
Top Overlay:
  drawing of 989 lines, arcs and shapes, not listed
  text "Digital Horsepower Inc / (C) 2016-2017 / Model GMO2-13017" at 1230,-170 h22
Bottom Overlay:
  rectangle: 10,-190 470,-70
  rectangle: 370,-60 470,20
  rectangle: 10,-60 280,20
  text "R5-A" at 2980,980 h20 r90
  text "10" at 2390,40 h60
  text "BTN:" at 360,-30 h20
  text "QC:" at 540,-30 h20
  text "1" at 2700,-110 h60
  text "SN:" at 540,-140 h20
Drill Drawing:
  drawing of 440 lines, arcs and shapes, not listed
  text "Layer" at 3467.5,3629.2 h60
  text "Name" at 3877.41,3629.2 h60
  text "Material" at 4817.15,3629.2 h60
  text "Thickness" at 5676.92,3629.2 h60
  text "Constant" at 6326.76,3629.2 h60
  text "EasyEDA Stack" at 6896.62,3629.2 h60
  text "1" at 3467.5,3509.2 h60
  text "Top Overlay" at 3877.41,3509.2 h60
  text "2" at 3467.5,3389.2 h60
  text "Top Solder" at 3877.41,3389.2 h60
  text "Solder Resist" at 4817.15,3389.2 h60
  text "1.00mil" at 5676.92,3389.2 h60
  text "3.5" at 6326.76,3389.2 h60
  text "3" at 3467.5,3269.2 h60
  text "Top Layer" at 3877.41,3269.2 h60
  text "Copper" at 4817.15,3269.2 h60
  text "1.40mil" at 5676.92,3269.2 h60
  text "4" at 3467.5,3149.2 h60
  text "Dielectric 1" at 3877.41,3149.2 h60
  text "FR-4" at 4817.15,3149.2 h60
  text "6.70mil" at 5676.92,3149.2 h60
  text "4.2" at 6326.76,3149.2 h60
  text "5" at 3467.5,3029.2 h60
  text "Signal Layer 1" at 3877.41,3029.2 h60
  text "Copper" at 4817.15,3029.2 h60
  text "0.70mil" at 5676.92,3029.2 h60
  text "6" at 3467.5,2909.2 h60
  text "Dielectric 2" at 3877.41,2909.2 h60
  text "47.00mil" at 5676.92,2909.2 h60
  text "4.2" at 6326.76,2909.2 h60
  text "7" at 3467.5,2789.2 h60
  text "Signal Layer 2" at 3877.41,2789.2 h60
  text "Copper" at 4817.15,2789.2 h60
  text "0.70mil" at 5676.92,2789.2 h60
  text "8" at 3467.5,2669.2 h60
  text "Dielectric 3" at 3877.41,2669.2 h60
  text "FR-4" at 4817.15,2669.2 h60
  text "6.70mil" at 5676.92,2669.2 h60
  text "4.2" at 6326.76,2669.2 h60
  text "9" at 3467.5,2549.2 h60
  text "Bottom Layer" at 3877.41,2549.2 h60
  text "Copper" at 4817.15,2549.2 h60
  text "1.40mil" at 5676.92,2549.2 h60
  text "10" at 3467.5,2429.2 h60
  text "Bottom Solder" at 3877.41,2429.2 h60
  text "Solder Resist" at 4817.15,2429.2 h60
  text "1.00mil" at 5676.92,2429.2 h60
  text "3.5" at 6326.76,2429.2 h60
  text "11" at 3467.5,2309.2 h60
  text "Bottom Overlay" at 3877.41,2309.2 h60
  text "Symbol" at 64.8,-355.62 h41.33
  text "Count" at 368.79,-355.62 h41.33
  text "Hole Size" at 715.86,-355.62 h41.33
  text "Plated" at 1355.56,-355.62 h41.33
  text "Hole Type" at 1659.55,-355.62 h41.33
  text "Drill Layer Pair" at 2094.36,-355.62 h41.33
  text "Via/Pad" at 2963.58,-355.62 h41.33
  text "Pad Shape" at 3315.76,-355.62 h41.33
  text "Template" at 3757.46,-355.62 h41.33
  text "Description" at 4196.34,-355.62 h41.33
  text "Hole Tolerance (+)" at 4700,-355.62 h41.33
  text "Hole Tolerance (-)" at 5479.08,-355.62 h41.33
  text "2" at 368.79,-441.72 h34.44
  text "94.49mil (2.400mm)" at 715.86,-441.72 h34.44
  text "PTH" at 1355.56,-441.72 h34.44
  text "Round" at 1659.55,-441.72 h34.44
  text "Top Layer - Bottom Layer" at 2094.36,-441.72 h34.44
  text "Pad" at 2963.58,-441.72 h34.44
  text "Rounded" at 3315.76,-441.72 h34.44
  text "c275h240" at 3757.46,-441.72 h34.44
  text "4" at 368.79,-527.81 h34.44
  text "39.37mil (1.000mm)" at 715.86,-527.81 h34.44
  text "PTH" at 1355.56,-527.81 h34.44
  text "Round" at 1659.55,-527.81 h34.44
  text "Top Layer - Bottom Layer" at 2094.36,-527.81 h34.44
  text "Pad" at 2963.58,-527.81 h34.44
  text "(Mixed)" at 3315.76,-527.81 h34.44
  text "(Mixed)" at 3757.46,-527.81 h34.44
  text "4" at 368.79,-613.9 h34.44
  text "82.68mil (2.100mm)" at 715.86,-613.9 h34.44
  text "PTH" at 1355.56,-613.9 h34.44
  text "Round" at 1659.55,-613.9 h34.44
  text "Top Layer - Bottom Layer" at 2094.36,-613.9 h34.44
  text "Pad" at 2963.58,-613.9 h34.44
  text "Rounded" at 3315.76,-613.9 h34.44
  text "c410h210" at 3757.46,-613.9 h34.44
  text "5" at 368.79,-700 h34.44
  text "35.43mil (0.900mm)" at 715.86,-700 h34.44
  text "PTH" at 1355.56,-700 h34.44
  text "Round" at 1659.55,-700 h34.44
  text "Top Layer - Bottom Layer" at 2094.36,-700 h34.44
  text "Pad" at 2963.58,-700 h34.44
  text "(Mixed)" at 3315.76,-700 h34.44
  text "(Mixed)" at 3757.46,-700 h34.44
  text "6" at 368.79,-786.1 h34.44
  text "46.00mil (1.168mm)" at 715.86,-786.1 h34.44
  text "PTH" at 1355.56,-786.1 h34.44
  text "Round" at 1659.55,-786.1 h34.44
  text "Top Layer - Bottom Layer" at 2094.36,-786.1 h34.44
  text "Pad" at 2963.58,-786.1 h34.44
  text "Rounded" at 3315.76,-786.1 h34.44
  text "(Mixed)" at 3757.46,-786.1 h34.44
  text "16" at 368.79,-872.19 h34.44
  text "78.74mil (2.000mm)" at 715.86,-872.19 h34.44
  text "PTH" at 1355.56,-872.19 h34.44
  text "Round" at 1659.55,-872.19 h34.44
  text "Top Layer - Bottom Layer" at 2094.36,-872.19 h34.44
  text "Pad" at 2963.58,-872.19 h34.44
  text "(Mixed)" at 3315.76,-872.19 h34.44
  text "(Mixed)" at 3757.46,-872.19 h34.44
  text "120" at 368.79,-958.28 h34.44
  text "12.00mil (0.305mm)" at 715.86,-958.28 h34.44
  text "PTH" at 1355.56,-958.28 h34.44
  text "Round" at 1659.55,-958.28 h34.44
  text "Top Layer - Bottom Layer" at 2094.36,-958.28 h34.44
  text "Via" at 2963.58,-958.28 h34.44
  text "Rounded" at 3315.76,-958.28 h34.44
  text "v56h30m0mx0" at 3757.46,-958.28 h34.44
  text "157 Total" at 368.79,-1044.38 h34.44
Board Outline:
  the board outline again, w10

## Text inside footprints (layer, text, board x,y; h text height)
µSD1: PNP Locations "Card Dashing" at 1675,1740.19 h25; PNP Locations "Card Locked" at 1675,1615.19 h25; PNP Locations "Card Pushed In" at 1700,1565.19 h25